# Altium PCB STB_ValidationBoard.PcbDoc (part 1 of 4)
Units mm, origin at the board's own origin, x right, y up, seen from the top; angles counter-clockwise.
Board outline 154 x 150 mm, 4 copper layers (Top Layer, Int1 (Signal), Int2 (GND), Bottom Layer), stack 0.76 mm thick; 235 components, 88 nets, 1220 pads, 302 vias.
Unrouted connection lines stored in the file: 398.
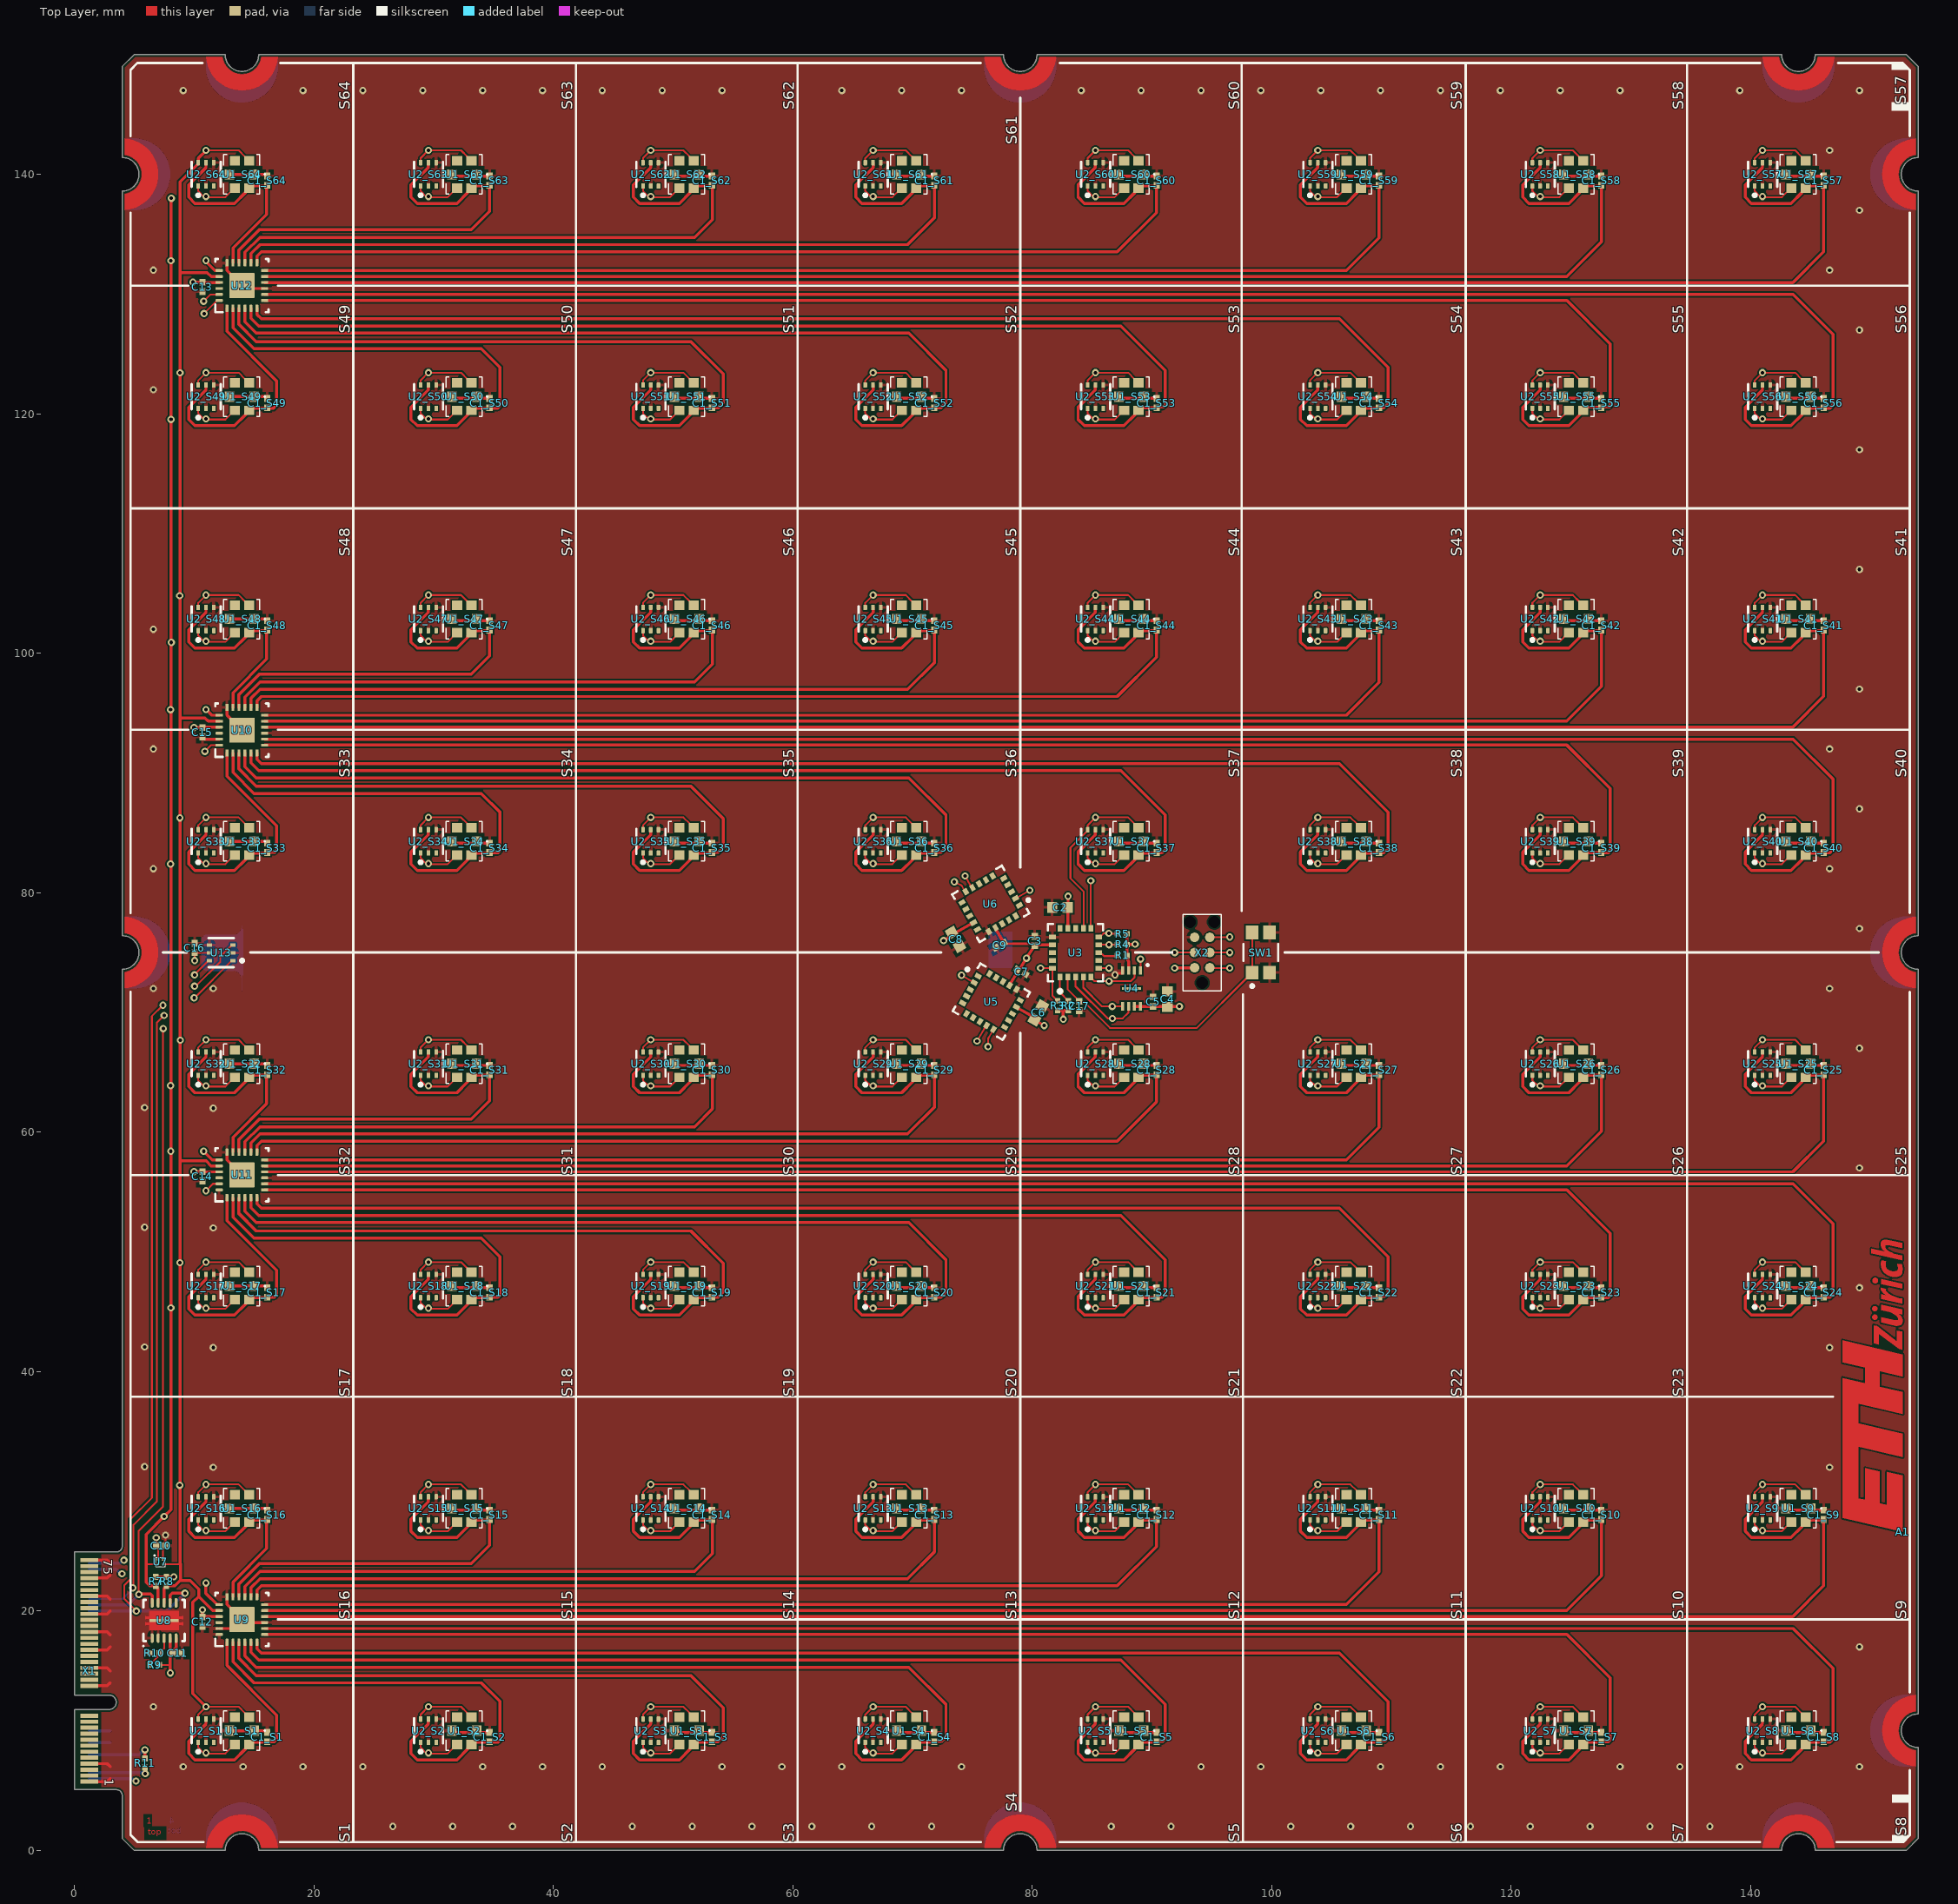
[diagram p0: Top Layer view]
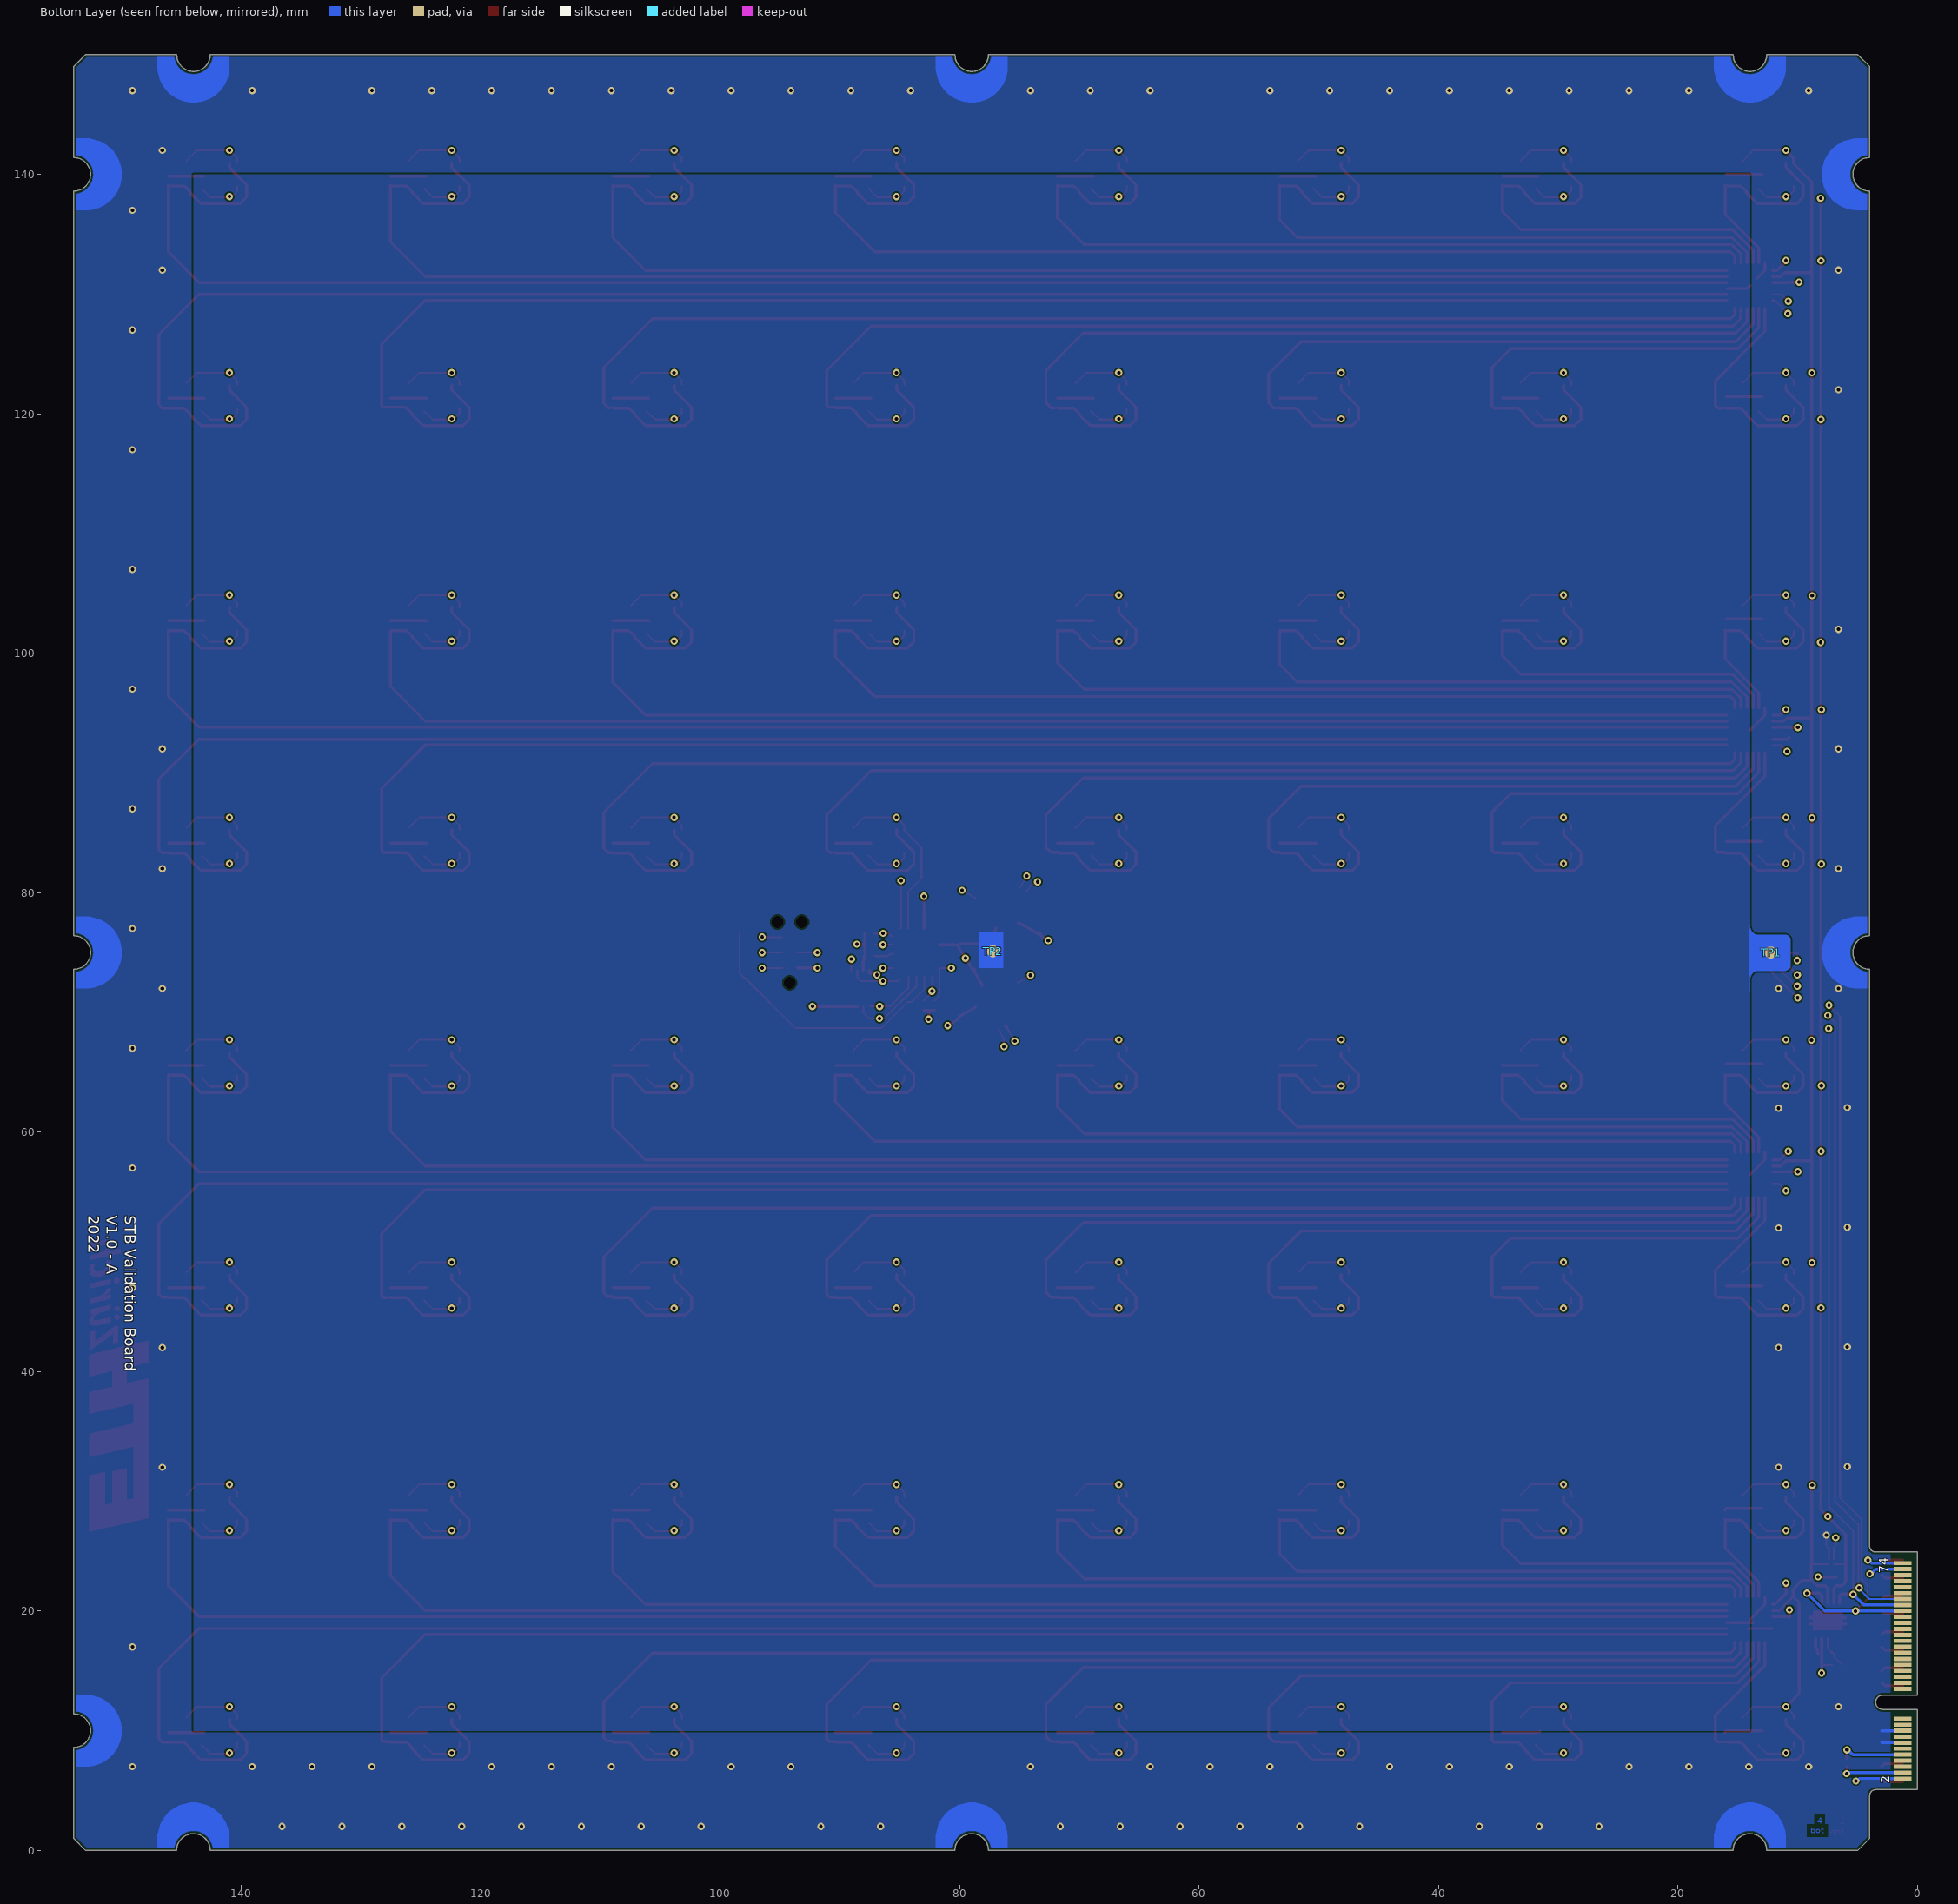
[diagram p1: Bottom Layer view, seen from below]
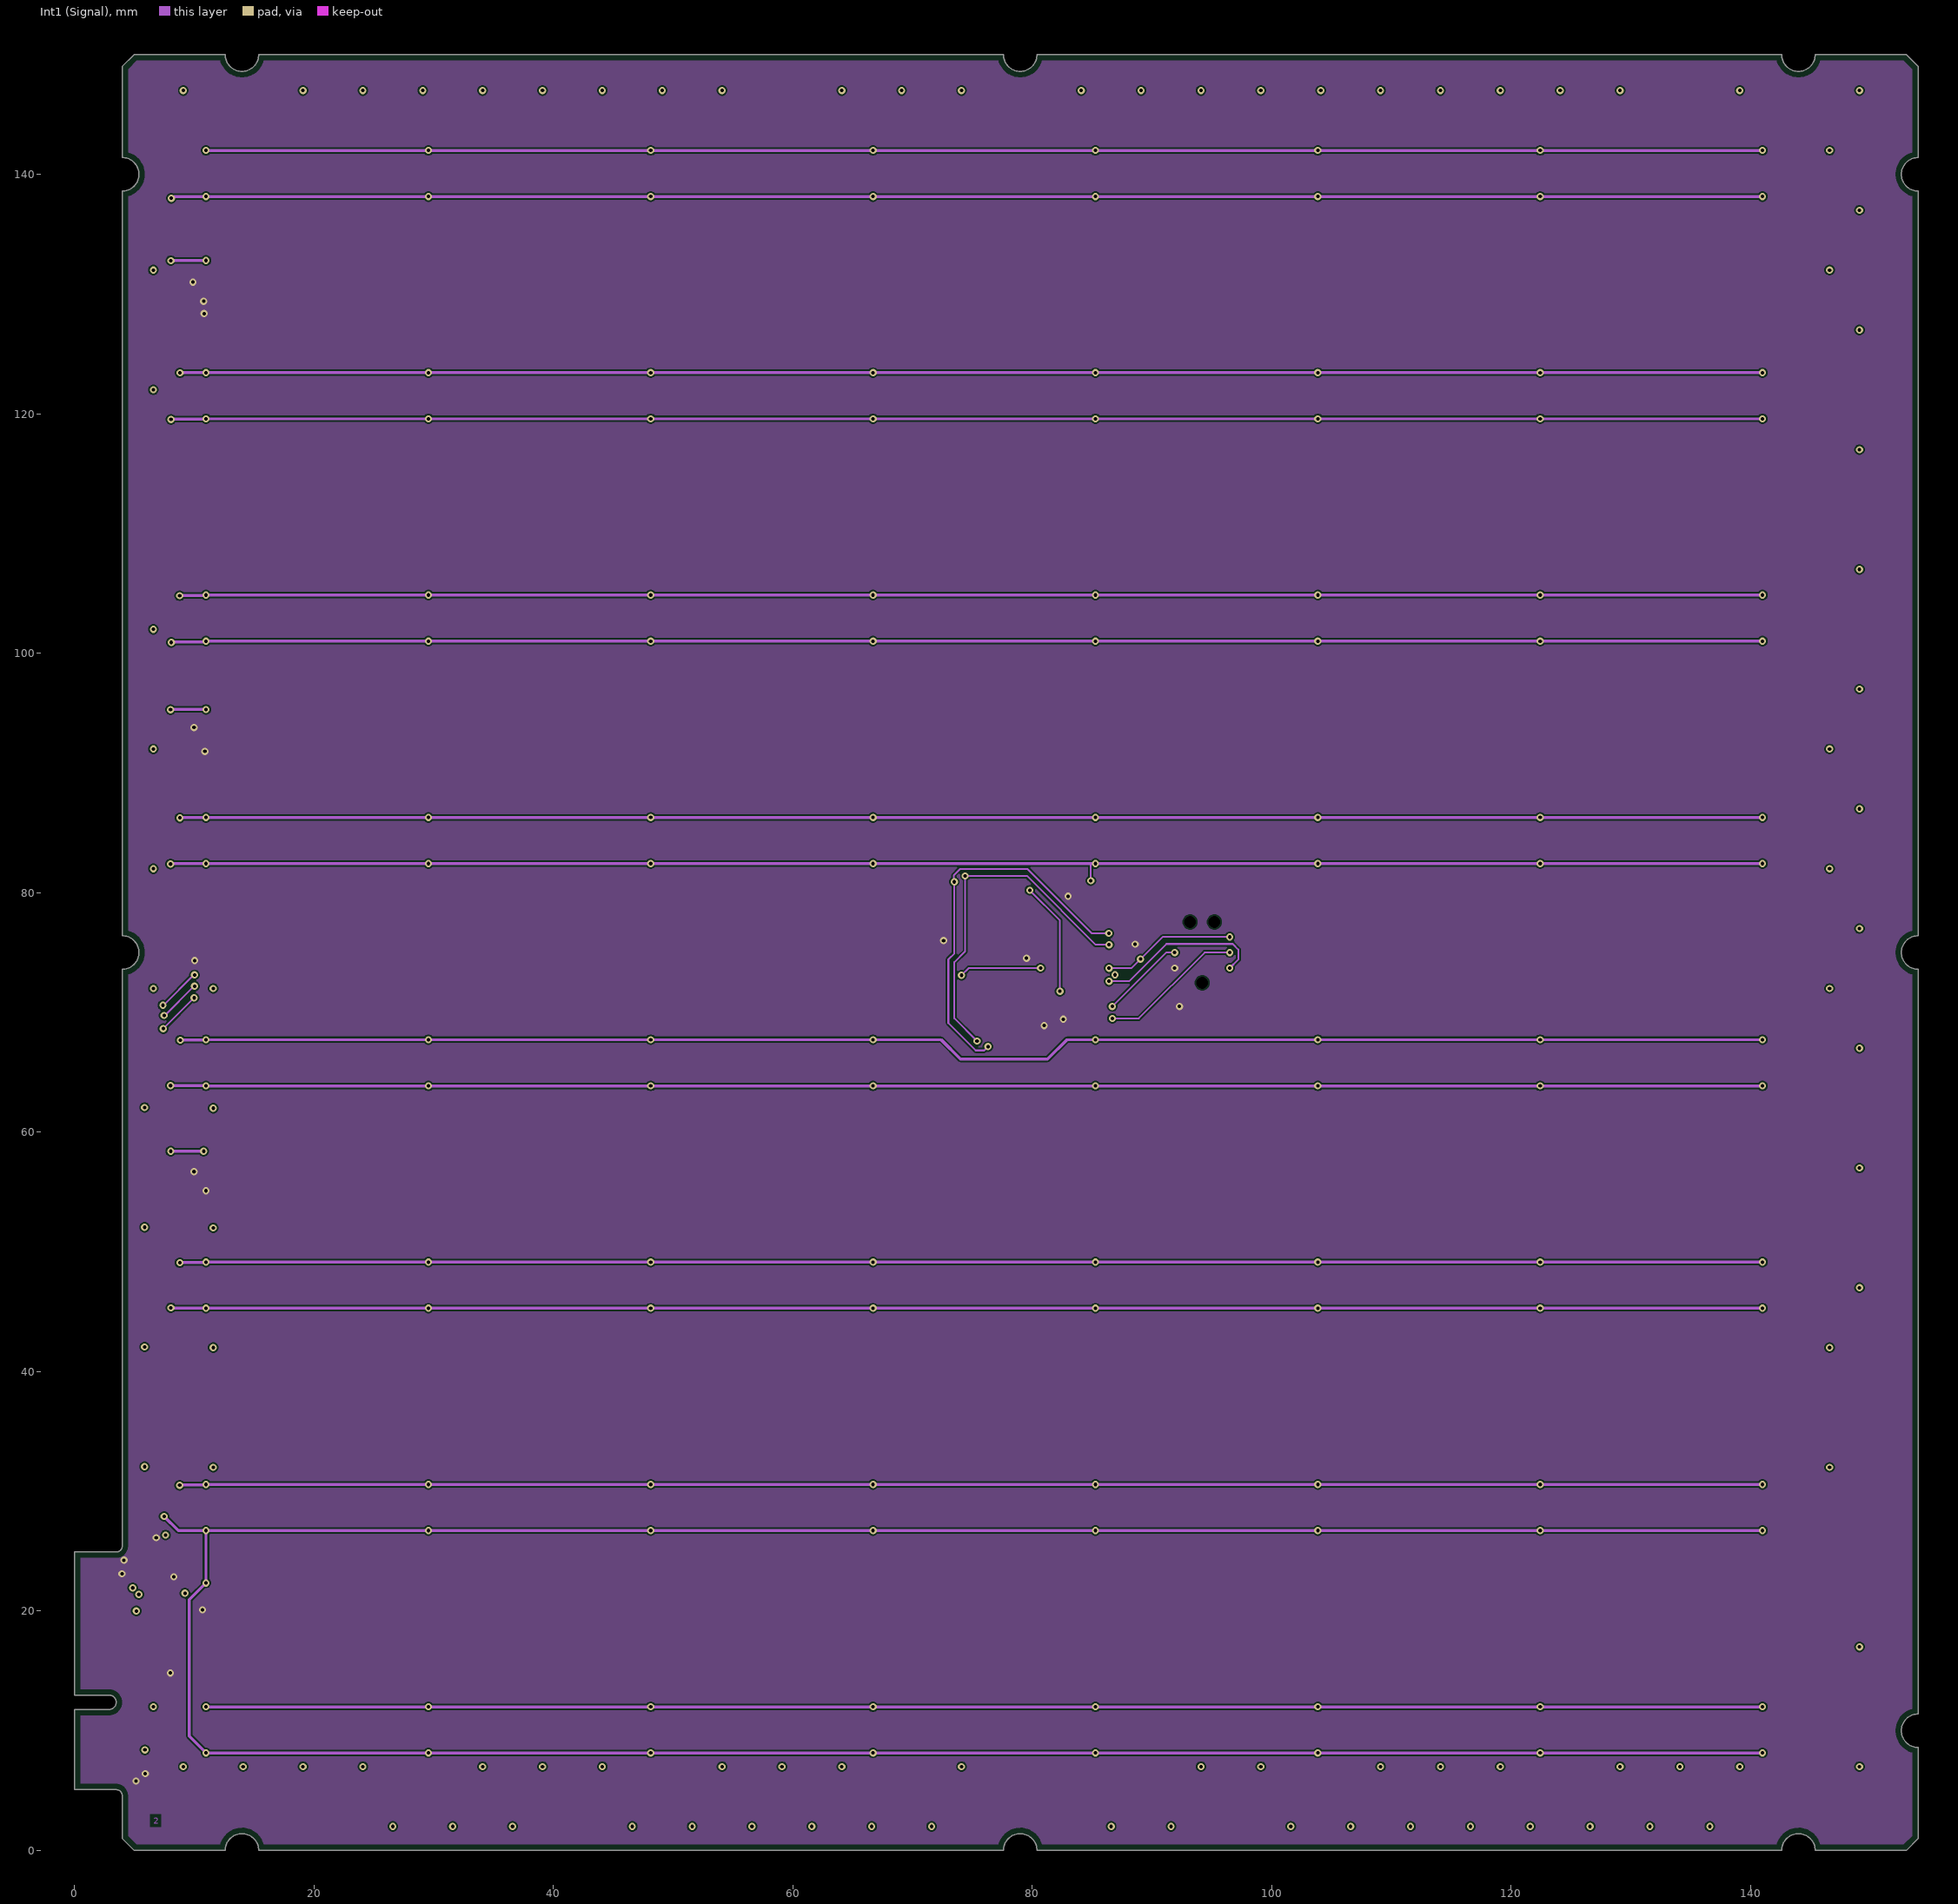
[diagram p2: Int1 (Signal)]